# Altium PCB FlatSat Half1.PcbDoc (part 7 of 9) (continued)
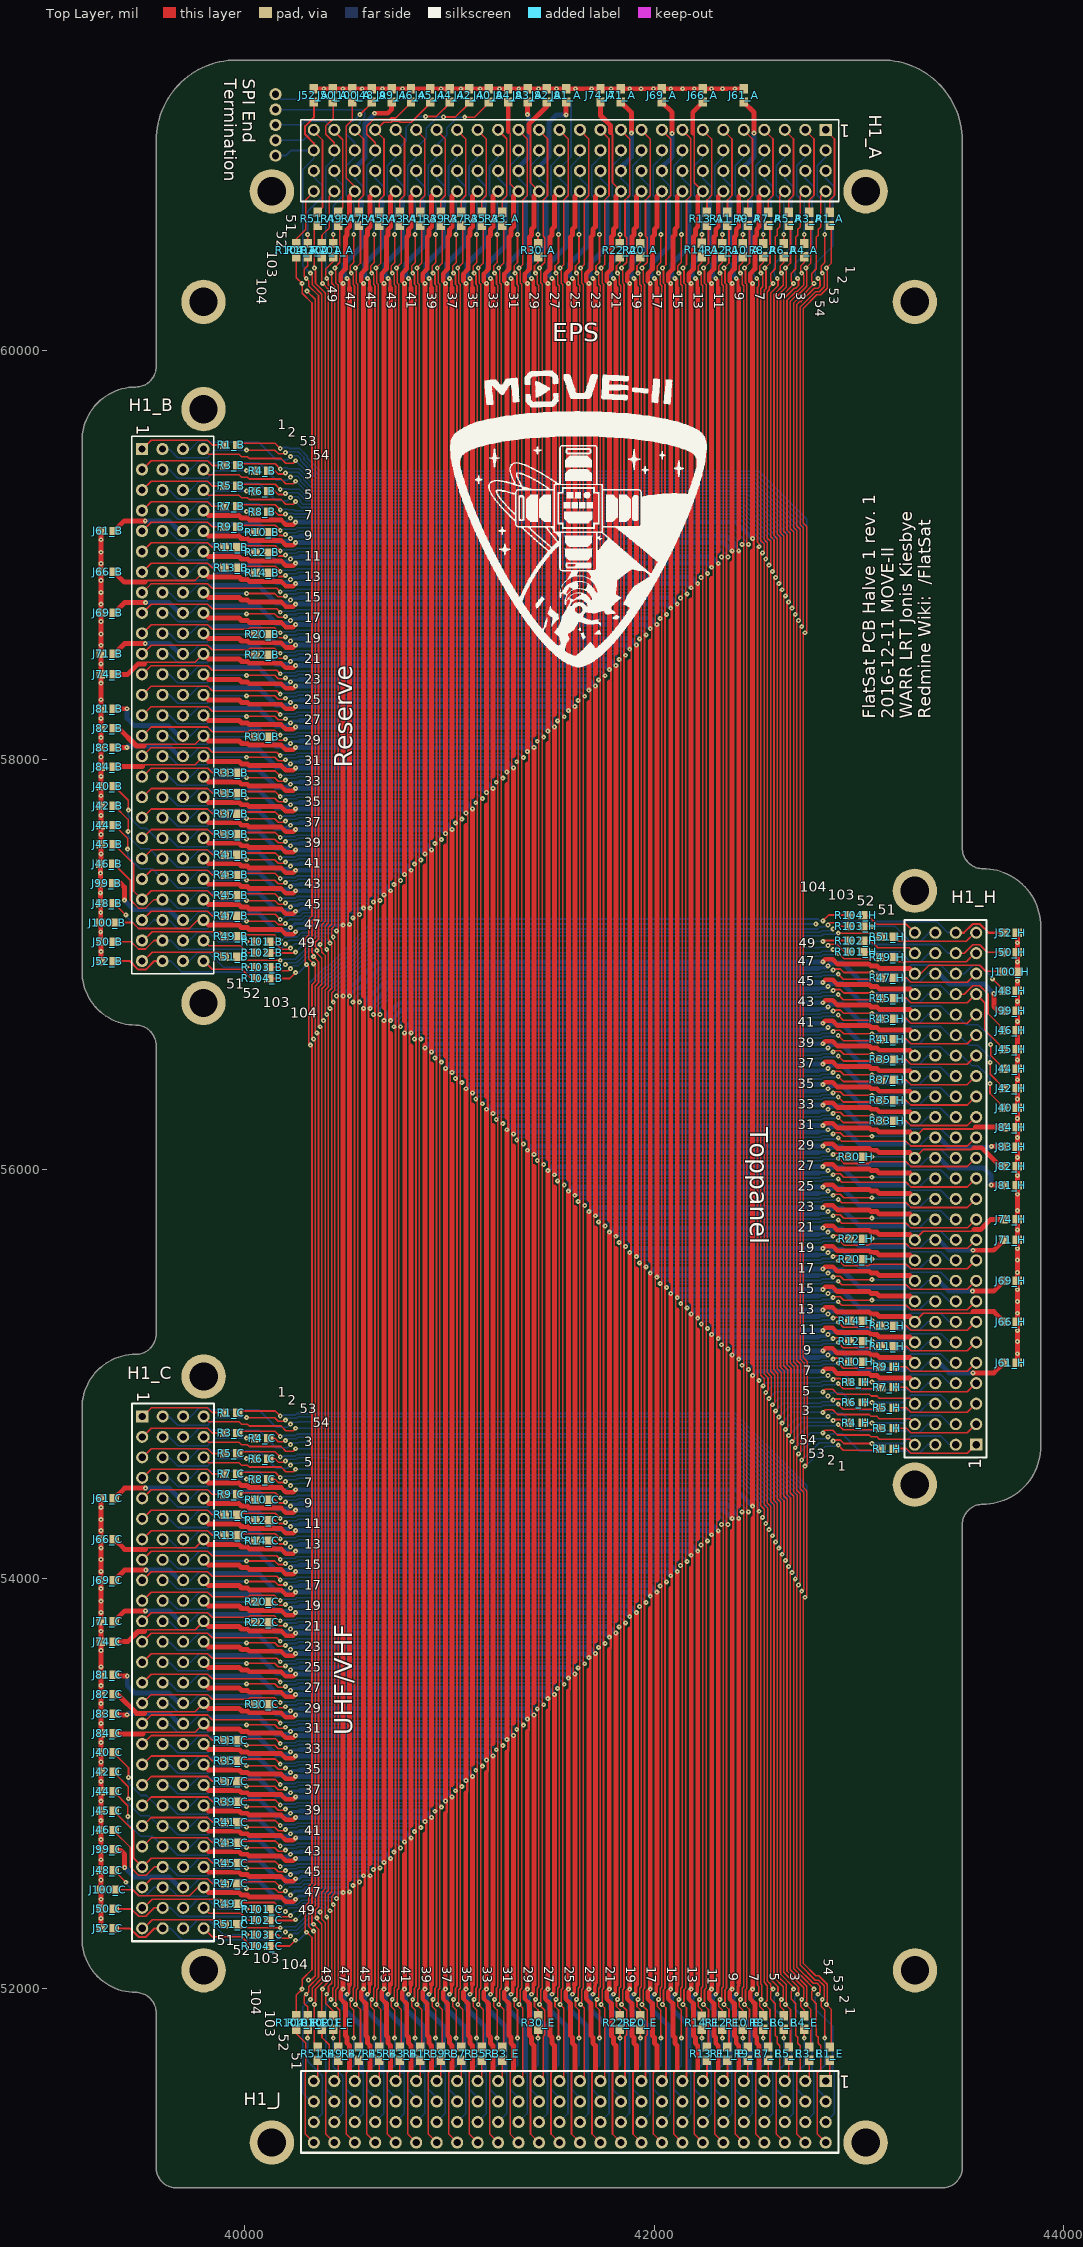
[diagram p0: Top Layer view]
## Nets (pads, with @x,y where several pads share a name; then routed paths per layer and width w, separated by ;. In a path a pad name is that pad's centre, name@x,y a point inside that pad or via, vN(x,y) a via of type N, cw(c..) or ccw(c..) an arc to the next point about the centre after c; other vN are vias at no path point) (continued)
  Bottom Layer w8: v1(40198,54375) 40207,54384 40252.41,54384 40259.41,54391 42363.2,54391 42410.63,54343.57 42410.63,54343.37 v1@42428,54326 ; v1(40198,59100) 40207,59109 40252.41,59109 40259.41,59116 42363.2,59116 42410.63,59068.57 42410.63,59068.37 v1@42428,59051 ; v1(42428,55043) 42442,55057 42811.59,55057 42818.59,55064 42864,55064 v1(42873,55073)
  other v1: 42428,54327 42428,59052
GPIO_RESERVE_1: H1_A.27 H1_B.27 H1_C.27 H1_H.27 H1_J.27 | length 15857.2
  Top Layer w8: H1_C.27@39500.48,53492 39543.01,53534.53 39818.1,53534.53 39840.62,53512 40156,53512 v1(40173,53495) ; H1_B.27@39500.48,58217 39543.01,58259.53 39818.1,58259.53 39840.62,58237 40156,58237 v1(40173,58220) ; H1_J.27@41537,51547 41557,51567 41557,51904 v1(41540,51921) 41540,51930 41545,51935 41545,51993.78 41552,52000.78 ; H1_A.27@41537,61073.52 41579.53,61030.99 41579.53,60755.9 41557,60733.38 41557,60418 v1(41540,60401) 41540,60392 41545,60387 41545,60328.22 41553,60320.22 41553,52001.94 ; v1(42898,55953) 42915,55936 43230.38,55936 43252.9,55913.47 43527.99,55913.47 H1_H.27@43570.52,55956
  Bottom Layer w8: v1(40173,53495) 40182,53495 40187,53500 40245.78,53500 40252.78,53507 41538,53507 v1(41560,53485) ; v1(40173,58220) 40182,58220 40187,58225 40245.78,58225 40252.78,58232 41538,58232 v1(41560,58210) ; v1(41560,55923) 41578,55941 42818.22,55941 42825.22,55948 42884,55948 42889,55953 v1(42898,55953)
GPIO_RESERVE_2: H1_A.29 H1_B.29 H1_C.29 H1_H.29 H1_J.29 | length 15788.6
  Top Layer w8: H1_C.29@39500.48,53392 39543.01,53434.53 39818.1,53434.53 39840.62,53412 40017.24,53412 40024.91,53419.67 40145.09,53419.67 40169.76,53395 v1(40173,53395) ; H1_B.29@39500.48,58117 39543.01,58159.53 39818.1,58159.53 39840.62,58137 40017.24,58137 40024.91,58144.67 40145.09,58144.67 40169.76,58120 v1(40173,58120) ; H1_J.29@41437,51547 41457,51567 41457,51765.24 41464.67,51772.91 41464.67,51893.09 41440,51917.76 v1(41440,51921) 41440,51930 41445,51935 41445,51993.78 41452,52000.78 ; H1_A.29@41437,61073.52 41478.53,61031.99 41478.53,60754.9 41457,60733.38 41457,60556.76 41464.67,60549.09 41464.67,60428.91 41440,60404.24 v1(41440,60401) 41440,60392 41445,60387 41445,60328.22 41452,60321.22 41452,52001 ; v1(42898,56053) 42901.24,56053 42925.91,56028.33 43046.09,56028.33 43053.76,56036 43230.38,56036 43252.9,56013.47 43527.99,56013.47 H1_H.29@43570.52,56056
  Bottom Layer w8: v1(40173,53395) 40182,53395 40187,53400 40245.78,53400 40252.78,53407 41438,53407 v1(41460,53385) ; v1(40173,58120) 40182,58120 40187,58125 40245.78,58125 40252.78,58132 41438,58132 v1(41460,58110) ; v1(41460,56023) 41478,56041 42818.22,56041 42825.22,56048 42884,56048 42889,56053 v1(42898,56053)
GPIO_RESERVE_3: H1_A.31 H1_B.31 H1_C.31 H1_H.31 H1_J.31 | length 15656
  Top Layer w8: H1_C.31@39500.48,53292 39543.01,53334.53 39818.1,53334.53 39840.62,53312 40156,53312 v1(40173,53295) ; H1_B.31@39500.48,58017 39542.01,58058.53 39819.1,58058.53 39840.62,58037 40156,58037 v1(40173,58020) ; H1_J.31@41337,51547 41357,51567 41357,51904 v1(41340,51921) 41340,51930 41345,51935 41345,51993.78 41352,52000.78 ; H1_A.31@41337,61073.52 41378.53,61031.99 41378.53,60754.9 41357,60733.38 41357,60418 v1(41340,60401) 41340,60392 41345,60387 41345,60328.22 41352,60321.22 41352,52001 ; v1(42898,56153) 42915,56136 43230.38,56136 43252.9,56113.47 43527.99,56113.47 H1_H.31@43570.52,56156
  Bottom Layer w8: v1(40173,53295) 40182,53295 40187,53300 40245.78,53300 40252.78,53307 41338,53307 v1(41360,53285) ; v1(40173,58020) 40182,58020 40187,58025 40245.78,58025 40252.78,58032 41338,58032 v1(41360,58010) ; v1(41360,56123) 41378,56141 42818.22,56141 42825.22,56148 42884,56148 42889,56153 v1(42898,56153)
GPIO_RESERVE_4: H1_A.24 H1_B.24 H1_C.24 H1_H.24 H1_J.24 | length 15802
  Top Layer w8: v1(40009,53687) 40146,53687 40163,53670 40193,53670 v1(40198,53675) ; v1(40009,58412) 40146,58412 40163,58395 40193,58395 v1(40198,58400) ; v1(41732,51757) 41732,51894 41715,51911 41715,51941 v1(41720,51946) 41729,51955 41729,52000.41 41736,52007.41 ; v1(41732,60565) 41732,60428 41715,60411 41715,60381 v1(41720,60376) 41729,60367 41729,60321.59 41736,60314.59 41736,52007.75 ; v1(42873,55773) 42878,55778 42908,55778 42925,55761 v1(43062,55761)
  Bottom Layer w8: H1_C.24@39598,53692 39631,53692 39672.47,53650.53 39818.53,53650.53 39855,53687 v1(40009,53687) ; H1_B.24@39598,58417 39631,58417 39673,58375 39818,58375 39855,58412 v1(40009,58412) ; v1(40198,53675) 40207,53684 40252.41,53684 40259.41,53691 41702,53691 v1(41728,53665) ; v1(40198,58400) 40207,58409 40252.41,58409 40259.41,58416 41702,58416 v1(41728,58390) ; v1(41728,55743) 41742,55757 42811.59,55757 42818.59,55764 42864,55764 v1(42873,55773) ; v1(41732,51757) 41732,51624 41695.47,51587.47 41695.47,51507.53 41737,51466 H1_J.24@41737,51447 ; v1(41732,60565) 41732,60719 41695,60756 41695,60901 41737,60943 H1_A.24@41737,60976 ; v1(43062,55761) 43216,55761 43252.47,55797.47 43398.53,55797.47 43440,55756 H1_H.24@43473,55756
GPIO_RESERVE_5: H1_A.26 H1_B.26 H1_C.26 H1_H.26 H1_J.26 | length 15702
  Top Layer w8: v1(40009,53587) 40146,53587 40163,53570 40193,53570 v1(40198,53575) ; v1(40009,58312) 40146,58312 40163,58295 40193,58295 v1(40198,58300) ; v1(41632,51757) 41632,51894 41615,51911 41615,51941 v1(41620,51946) 41629,51955 41629,52000.41 41636,52007.41 ; v1(41632,60565) 41632,60428 41615,60411 41615,60381 v1(41620,60376) 41629,60367 41629,60321.59 41636,60314.59 41636,52007.75 ; v1(42873,55873) 42878,55878 42908,55878 42925,55861 v1(43062,55861)
  Bottom Layer w8: H1_C.26@39598,53592 39631,53592 39672.47,53550.53 39818.53,53550.53 39855,53587 v1(40009,53587) ; H1_B.26@39598,58317 39631,58317 39673,58275 39818,58275 39855,58312 v1(40009,58312) ; v1(40198,53575) 40207,53584 40252.41,53584 40259.41,53591 41602,53591 v1(41628,53565) ; v1(40198,58300) 40207,58309 40252.41,58309 40259.41,58316 41602,58316 v1(41628,58290) ; v1(41628,55843) 41642,55857 42811.59,55857 42818.59,55864 42864,55864 v1(42873,55873) ; v1(41632,51757) 41632,51624 41595.47,51587.47 41595.47,51507.53 41637,51466 H1_J.26@41637,51447 ; v1(41632,60565) 41632,60719 41595,60756 41595,60901 41637,60943 H1_A.26@41637,60976 ; v1(43062,55861) 43216,55861 43252.47,55897.47 43398.53,55897.47 43440,55856 H1_H.26@43473,55856
GPIO_RESERVE_6: H1_A.28 H1_B.28 H1_C.28 H1_H.28 H1_J.28 | length 15601.8
  Top Layer w8: v1(40009,53487) 40146,53487 40163,53470 40193,53470 v1(40198,53475) ; v1(40009,58212) 40146,58212 40163,58195 40193,58195 v1(40198,58200) ; v1(41532,51757) 41532,51894 41515,51911 41515,51941 v1(41520,51946) 41529,51955 41529,52000.41 41536,52007.41 ; v1(41532,60565) 41532,60428 41515,60411 41515,60381 v1(41520,60376) 41529,60367 41529,60321.59 41536,60314.59 41536,52008 ; v1(42873,55973) 42878,55978 42908,55978 42925,55961 v1(43062,55961)
  Bottom Layer w8: H1_C.28@39598,53492 39631,53492 39672.47,53450.53 39818.53,53450.53 39855,53487 v1(40009,53487) ; H1_B.28@39598,58217 39631,58217 39673,58175 39818,58175 39855,58212 v1(40009,58212) ; v1(40198,53475) 40207,53484 40252.41,53484 40259.41,53491 41502,53491 v1(41528,53465) ; v1(40198,58200) 40207,58209 40252.41,58209 40259.41,58216 41502,58216 v1(41528,58190) ; v1(41528,55943) 41542,55957 42811.59,55957 42818.59,55964 42864,55964 v1(42873,55973) ; v1(41532,51757) 41532,51624 41495.47,51587.47 41495.47,51507.53 41537,51466 H1_J.28@41537,51447 ; v1(41532,60565) 41532,60719 41495,60756 41495,60901 41537,60943 H1_A.28@41537,60976 ; v1(43062,55961) 43216,55961 43252.47,55997.47 43398.53,55997.47 43440,55956 H1_H.28@43473,55956
GPIO_RESERVE_7: H1_A.34 H1_B.34 H1_C.34 H1_H.34 H1_J.34 | length 15302.6
  Top Layer w8: v1(40009,53187) 40146,53187 40163,53170 40193,53170 v1(40198,53175) ; v1(40009,57912) 40146,57912 40163,57895 40193,57895 v1(40198,57900) ; v1(41232,51757) 41232,51894 41215,51911 41215,51941 v1(41220,51946) 41229,51955 41229,52000.41 41236,52007.41 ; v1(41232,60565) 41232,60428 41215,60411 41215,60381 v1(41220,60376) 41229,60367 41229,60321.59 41236.01,60314.58 ; 41236.01,52008.01 41236.01,57890 41236.01,57900.05 41236,60314.57 ; v1(42873,56273) 42878,56278 42908,56278 42925,56261 v1(43062,56261)
  Bottom Layer w8: H1_C.34@39598,53192 39631,53192 39672.47,53150.53 39818.53,53150.53 39855,53187 v1(40009,53187) ; H1_B.34@39598,57917 39631,57917 39673,57875 39818,57875 39855,57912 v1(40009,57912) ; v1(40198,53175) 40207,53184 40252.41,53184 40259.41,53191 41201,53191 v1@41228,53164 ; v1(40198,57900) 40207,57909 40252.41,57909 40259.41,57916 41201,57916 v1@41228,57889 ; v1(41228,56243) 41242,56257 42811.59,56257 42818.59,56264 42864,56264 v1(42873,56273) ; v1(41232,51757) 41232,51624 41195.47,51587.47 41195.47,51507.53 41237,51466 H1_J.34@41237,51447 ; v1(41232,60565) 41232,60719 41195,60756 41195,60901 41237,60943 H1_A.34@41237,60976 ; v1(43062,56261) 43216,56261 43252.47,56297.47 43398.53,56297.47 43440,56256 H1_H.34@43473,56256
  other v1: 41228,53165 41228,57890
GPIO_RESERVE_8: H1_A.36 H1_B.36 H1_C.36 H1_H.36 H1_J.36 | length 15202.4
  Top Layer w8: v1(40009,53087) 40146,53087 40163,53070 40193,53070 v1(40198,53075) ; v1(40009,57812) 40146,57812 40163,57795 40193,57795 v1(40198,57800) ; v1(41132,51757) 41132,51894 41115,51911 41115,51941 v1(41120,51946) 41129,51955 41129,52000.41 41136,52007.41 41136,60314.59 41129,60321.59 41129,60367 v1(41120,60376) 41115,60381 41115,60411 41132,60428 v1(41132,60565) ; v1(42873,56373) 42878,56378 42908,56378 42925,56361 v1(43062,56361)
  Bottom Layer w8: H1_C.36@39598,53092 39631,53092 39672.47,53050.53 39818.53,53050.53 39855,53087 v1(40009,53087) ; H1_B.36@39598,57817 39631,57817 39673,57775 39818,57775 39855,57812 v1(40009,57812) ; v1(40198,53075) 40207,53084 40252.41,53084 40259.41,53091 41102,53091 v1(41128,53065) ; v1(40198,57800) 40207,57809 40252.41,57809 40259.41,57816 41102,57816 v1(41128,57790) ; v1(41128,56343) 41142,56357 42811.59,56357 42818.59,56364 42864,56364 v1(42873,56373) ; v1(41132,51757) 41132,51624 41095.47,51587.47 41095.47,51507.53 41137,51466 H1_J.36@41137,51447 ; v1(41132,60565) 41132,60719 41095,60756 41095,60901 41137,60943 H1_A.36@41137,60976 ; v1(43062,56361) 43216,56361 43252.47,56397.47 43398.53,56397.47 43440,56356 H1_H.36@43473,56356
GPIO_RESERVE_9: H1_A.38 H1_B.38 H1_C.38 H1_H.38 H1_J.38 | length 15102.4
  Top Layer w8: v1(40009,52987) 40146,52987 40163,52970 40193,52970 v1(40198,52975) ; v1(40009,57712) 40146,57712 40163,57695 40193,57695 v1(40198,57700) ; v1(41032,51757) 41032,51894 41015,51911 41015,51941 v1(41020,51946) 41029,51955 41029,52000.41 41036,52007.41 41036,60314.59 41029,60321.59 41029,60367 v1(41020,60376) 41015,60381 41015,60411 41032,60428 v1(41032,60565) ; v1(42873,56473) 42878,56478 42908,56478 42925,56461 v1(43062,56461)
  Bottom Layer w8: H1_C.38@39598,52992 39631,52992 39672.47,52950.53 39818.53,52950.53 39855,52987 v1(40009,52987) ; H1_B.38@39598,57717 39631,57717 39673,57675 39818,57675 39855,57712 v1(40009,57712) ; v1(40198,52975) 40207,52984 40252.41,52984 40259.41,52991 41002,52991 v1(41028,52965) ; v1(40198,57700) 40207,57709 40252.41,57709 40259.41,57716 41002,57716 v1(41028,57690) ; v1(41028,56443) 41042,56457 42811.59,56457 42818.59,56464 42864,56464 v1(42873,56473) ; v1(41032,51757) 41032,51624 40995.47,51587.47 40995.47,51507.53 41037,51466 H1_J.38@41037,51447 ; v1(41032,60565) 41032,60719 40995,60756 40995,60901 41037,60943 H1_A.38@41037,60976 ; v1(43062,56461) 43216,56461 43252.47,56497.47 43398.53,56497.47 43440,56456 H1_H.38@43473,56456
GPIO_RESERVE_10: H1_A.15 H1_B.15 H1_C.15 H1_H.15 H1_J.15 | length 16457.1
  Top Layer w8: H1_C.15@39500.48,54092 39543.01,54134.53 39818.1,54134.53 39840.62,54112 40156,54112 v1(40173,54095) ; H1_B.15@39500.48,58817 39542.01,58858.53 39819.1,58858.53 39840.62,58837 40156,58837 v1(40173,58820) ; H1_J.15@42137,51547 42157,51567 42157,51904 v1(42140,51921) 42140,51930 42145,51935 42145,51993.78 42153,52001.78 42153,60320.22 42145,60328.22 42145,60387 42140,60392 v1(42140,60401) 42157,60418 42157,60733.38 42178.53,60754.9 42178.53,61031.99 H1_A.15@42137,61073.52 ; v1(42898,55353) 42915,55336 43230.38,55336 43252.9,55313.47 43527.99,55313.47 H1_H.15@43570.52,55356
  Bottom Layer w8: v1(40173,54095) 40182,54095 40187,54100 40245.78,54100 40252.78,54107 42138,54107 v1(42160,54085) ; v1(40173,58820) 40182,58820 40187,58825 40245.78,58825 40252.78,58832 42138,58832 v1(42160,58810) ; v1(42160,55323) 42178,55341 42818.22,55341 42825.22,55348 42884,55348 42889,55353 v1(42898,55353)
GPIO_RESERVE_11: H1_A.17 H1_B.17 H1_C.17 H1_H.17 H1_J.17 | length 16384.9
  Top Layer w8: H1_C.17@39500.48,53992 39543.01,54034.53 39818.1,54034.53 39840.62,54012 40156,54012 v1(40173,53995) v1@40182,53995 ; H1_B.17@39500.48,58717 39543.01,58759.53 39818.1,58759.53 39840.62,58737 40156,58737 v1(40173,58720) v1@40182,58720 ; H1_J.17@42037,51547 42057,51567 42057,51904 v1(42040,51921) 42040,51930 42045,51935 42045,51993.78 42052,52000.78 42052,60321.22 42045,60328.22 42045,60387 42040,60392 v1(42040,60401) 42057,60418 42057,60733.38 42079.53,60755.9 42079.53,61030.99 H1_A.17@42037,61073.52 ; v1@42889,55453 v1(42898,55453) 42915,55436 43230.38,55436 43252.9,55413.47 43527.99,55413.47 H1_H.17@43570.52,55456
  Bottom Layer w8: v1(40173,53995) 40182,53995 40187,54000 40245.78,54000 40252.78,54007 42038,54007 v1(42060,53985) ; v1(40173,58720) 40182,58720 40187,58725 40245.78,58725 40252.78,58732 42038,58732 v1(42060,58710) ; v1(42060,55423) 42078,55441 42818.22,55441 42825.22,55448 42884,55448 42889,55453 v1(42898,55453)
GPIO_RESERVE_12: H1_A.19 H1_B.19 H1_C.19 H1_H.19 H1_J.19 | length 16316.7
  Top Layer w8: H1_C.19@39500.48,53892 39543.01,53934.53 39818.1,53934.53 39840.62,53912 40017.24,53912 40024.91,53919.67 40145.09,53919.67 40169.76,53895 v1(40173,53895) v1@40182,53895 ; H1_B.19@39500.48,58617 39543.01,58659.53 39818.1,58659.53 39840.62,58637 40017.24,58637 40024.91,58644.67 40145.09,58644.67 40169.76,58620 v1(40173,58620) v1@40182,58620 ; H1_J.19@41937,51547 41957,51567 41957,51765.24 41964.67,51772.91 41964.67,51893.09 41940,51917.76 v1(41940,51921) 41940,51930 41945,51935 41945,51993.78 41952,52000.78 41952,60321.22 41945,60328.22 41945,60387 41940,60392 v1(41940,60401) 41940,60404.24 41964.67,60428.91 41964.67,60549.09 41957,60556.76 41957,60733.38 41979.53,60755.9 41979.53,61030.99 H1_A.19@41937,61073.52 ; v1@42889,55553 v1(42898,55553) 42901.24,55553 42925.91,55528.33 43046.09,55528.33 43053.76,55536 43230.38,55536 43252.9,55513.47 43527.99,55513.47 H1_H.19@43570.52,55556
  Bottom Layer w8: v1(40173,53895) 40182,53895 40187,53900 40245.78,53900 40252.78,53907 41938,53907 v1(41960,53885) ; v1(40173,58620) 40182,58620 40187,58625 40245.78,58625 40252.78,58632 41938,58632 v1(41960,58610) ; v1(41960,55523) 41978,55541 42818.22,55541 42825.22,55548 42884,55548 42889,55553 v1(42898,55553)
GPIO_RESERVE_13: H1_A.21 H1_B.21 H1_C.21 H1_H.21 H1_J.21 | length 16189.7
  Top Layer w8: H1_C.21@39500.48,53792 39543.01,53834.53 39818.1,53834.53 39840.62,53812 40017.24,53812 40024.91,53819.67 40145.09,53819.67 40169.76,53795 v1(40173,53795) ; H1_B.21@39500.48,58517 39543.01,58559.53 39818.1,58559.53 39840.62,58537 40017.24,58537 40024.91,58544.67 40145.09,58544.67 40169.76,58520 v1(40173,58520) ; H1_J.21@41837,51547 41857,51567 41857,51765.24 41864.67,51772.91 41864.67,51893.09 41840,51917.76 v1(41840,51921) 41840,51930 41845,51935 41845,51993.78 41852,52000.78 41852,60321.22 41845,60328.22 41845,60387 41840,60392 v1(41840,60401) 41840,60404.24 41864.67,60428.91 41864.67,60549.09 41857,60556.76 41857,60733.38 41879.53,60755.9 41879.53,61030.99 H1_A.21@41837,61073.52 ; v1(42898,55653) 42901.24,55653 42925.91,55628.33 43046.09,55628.33 43053.76,55636 43230.38,55636 43252.9,55613.47 43527.99,55613.47 H1_H.21@43570.52,55656
  Bottom Layer w8: v1(40173,53795) 40182,53795 40187,53800 40245.78,53800 40252.78,53807 41838,53807 v1(41860,53785) ; v1(40173,58520) 40182,58520 40187,58525 40245.78,58525 40252.78,58532 41838,58532 v1(41860,58510) ; v1(41860,55623) 41878,55641 42818.22,55641 42825.22,55648 42884,55648 42889,55653 v1(42898,55653)
GPIO_RESERVE_14: H1_A.23 H1_B.23 H1_C.23 H1_H.23 H1_J.23 | length 16056
  Top Layer w8: H1_C.23@39500.48,53692 39543.01,53734.53 39818.1,53734.53 39840.62,53712 40156,53712 v1(40173,53695) ; H1_B.23@39500.48,58417 39542.01,58458.53 39819.1,58458.53 39840.62,58437 40156,58437 v1(40173,58420) ; H1_J.23@41737,51547 41757,51567 41757,51904 v1(41740,51921) 41740,51930 41745,51935 41745,51993.78 41752,52000.78 ; H1_A.23@41737,61073.52 41778.53,61031.99 41778.53,60754.9 41757,60733.38 41757,60418 v1(41740,60401) 41740,60392 41745,60387 41745,60328.22 41752,60321.22 41752,52001 ; v1(42898,55753) 42915,55736 43230.38,55736 43252.9,55713.47 43527.99,55713.47 H1_H.23@43570.52,55756
  Bottom Layer w8: v1(40173,53695) 40182,53695 40187,53700 40245.78,53700 40252.78,53707 41738,53707 v1(41760,53685) ; v1(40173,58420) 40182,58420 40187,58425 40245.78,58425 40252.78,58432 41738,58432 v1(41760,58410) ; v1(41760,55723) 41778,55741 42818.22,55741 42825.22,55748 42884,55748 42889,55753 v1(42898,55753)
GPIO_RESERVE_15: H1_A.25 H1_B.25 H1_C.25 H1_H.25 H1_J.25 | length 15957.7
  Top Layer w8: H1_C.25@39500.48,53592 39543.01,53634.53 39818.1,53634.53 39840.62,53612 40156,53612 v1(40173,53595) ; H1_B.25@39500.48,58317 39543.01,58359.53 39818.1,58359.53 39840.62,58337 40156,58337 v1(40173,58320) ; H1_J.25@41637,51547 41657,51567 41657,51904 v1(41640,51921) 41640,51930 41645,51935 41645,51993.78 41652,52000.78 ; H1_A.25@41637,61073.52 41679.53,61030.99 41679.53,60755.9 41657,60733.38 41657,60418 v1(41640,60401) 41640,60392 41645,60387 41645,60328.22 41652,60321.22 41652,52001 ; v1(42898,55853) 42915,55836 43230.38,55836 43252.9,55813.47 43527.99,55813.47 H1_H.25@43570.52,55856
  Bottom Layer w8: v1(40173,53595) 40182,53595 40187,53600 40245.78,53600 40252.78,53607 41638,53607 v1(41660,53585) ; v1(40173,58320) 40182,58320 40187,58325 40245.78,58325 40252.78,58332 41638,58332 v1(41660,58310) ; v1(41660,55823) 41678,55841 42818.22,55841 42825.22,55848 42884,55848 42889,55853 v1(42898,55853)
HCU: R30_A.2 R30_B.2 R30_C.2 R30_E.2 R30_H.2 | length 12844.7
  Top Layer w8: R30_C.2@40117.15,53387 R30_C.2@40117.48,53387 40146,53387 40163,53370 40193,53370 v1(40198,53375) ; R30_B.2@40117.15,58112 R30_B.2@40117.48,58112 40146,58112 40163,58095 40193,58095 v1(40198,58100) ; R30_E.2@41432,51865.15 R30_E.2@41432,51865.48 41432,51894 41415,51911 41415,51941 v1(41420,51946) 41429,51955 41429,52000.41 41436,52007.41 ; R30_A.2@41432,60456.85 R30_A.2@41432,60456.52 41432,60428 41415,60411 41415,60381 v1(41420,60376) 41429,60367 41429,60321.59 41436,60314.59 41436,52008 ; v1(42873,56073) 42878,56078 42908,56078 42925,56061 R30_H.2@42953.52,56061 R30_H.2@42953.85,56061
  Bottom Layer w8: v1(40198,53375) 40207,53384 40252.41,53384 40259.41,53391 41402,53391 v1(41428,53365) ; v1(40198,58100) 40207,58109 40252.41,58109 40259.41,58116 41402,58116 v1(41428,58090) ; v1(41428,56043) 41442,56057 42811.59,56057 42818.59,56064 42864,56064 v1(42873,56073)
I2C_CLK: R43_A.1 R43_B.1 R43_C.1 R43_E.1 R43_H.1 | length 12991.5
  Top Layer w8: R43_C.1@39965.48,52712 39965.48,52719.67 40148.33,52719.67 v1(40173,52695) ; R43_B.1@39965.48,57437 39965.48,57444.67 40148.33,57444.67 v1(40173,57420) ; R43_E.1@40757,51713.48 40764.67,51713.48 40764.67,51896.33 v1(40740,51921) 40740,51930 40745,51935 40745,51993.78 40752,52000.78 40752,60321.22 40745,60328.22 40745,60387 40740,60392 v1(40740,60401) 40764.67,60425.67 40764.67,60608.52 R43_A.1@40757,60608.52 ; v1(42898,56753) 42922.67,56728.33 43105.52,56728.33 R43_H.1@43105.52,56736
  Bottom Layer w8: v1(40173,52695) 40182,52695 40187,52700 40245.78,52700 40252.78,52707 40738,52707 v1(40760,52685) ; v1(40173,57420) 40182,57420 40187,57425 40245.78,57425 40252.78,57432 40738,57432 v1(40760,57410) ; v1@40759,56698 40760,56699 40760,56717 40784,56741 42818.22,56741 42825.22,56748 42884,56748 42889,56753 v1(42898,56753)
  other v1: 40760,56696
I2C_DATA: R41_A.1 R41_B.1 R41_C.1 R41_E.1 R41_H.1 | length 13063.6
  Top Layer w8: R41_C.1@39965.48,52812 39965.48,52819.67 40148.33,52819.67 v1(40173,52795) ; R41_B.1@39965.48,57537 39965.48,57544.67 40148.33,57544.67 v1(40173,57520) ; R41_E.1@40857,51713.48 40864.67,51713.48 40864.67,51896.33 v1(40840,51921) 40840,51930 40845,51935 40845,51993.78 40852,52000.78 40852,60321.22 40845,60328.22 40845,60387 40840,60392 v1(40840,60401) 40864.67,60425.67 40864.67,60608.52 R41_A.1@40857,60608.52 ; v1(42898,56653) 42922.67,56628.33 43105.52,56628.33 R41_H.1@43105.52,56636
  Bottom Layer w8: v1(40173,52795) 40182,52795 40187,52800 40245.78,52800 40252.78,52807 40838,52807 v1(40860,52785) ; v1(40173,57520) 40182,57520 40187,57525 40245.78,57525 40252.78,57532 40838,57532 v1(40860,57510) ; v1@40861,56635 40867,56641 42818.22,56641 42825.22,56648 42884,56648 42889,56653 v1(42898,56653)
  other v1: 40860,56636
MISO: R47_A.1 R47_B.1 R47_C.1 R47_E.1 R47_H.1 | length 12820.4
  Top Layer w8: R47_C.1@39965.48,52512 39965.48,52519.67 40148.33,52519.67 v1(40173,52495) ; R47_B.1@39965.48,57237 39965.48,57244.67 40148.33,57244.67 v1(40173,57220) ; 40552,52000.78 40545,51993.78 40545,51935 40540,51930 v1(40540,51921) 40564.67,51896.33 40564.67,51713.48 R47_E.1@40557,51713.48 ; 40552,52001 v1@40552,52519 ; R47_A.1@40557,60608.52 40564.67,60608.52 40564.67,60425.67 v1(40540,60401) 40540,60392 40545,60387 40545,60328.22 40552,60321.22 v1@40552,56816 ; v1(40560,52519) v1@40552,52519 ; v1(40560,56816) v1@40552,56816 ; v1(42898,56953) 42922.67,56928.33 43105.52,56928.33 R47_H.1@43105.52,56936 ; v1@40552,52519 v1@40552,56816
  Bottom Layer w8: v1(40173,52495) 40182,52495 40198,52511 40269.92,52511 40285.92,52527 v1@40553,52527 ; v1(40173,57220) 40182,57220 40198,57236 40269.92,57236 40285.92,57252 v1@40553,57252 ; v1(40560,56816) 40560,56826.84 40674.16,56941 42818.22,56941 42825.22,56948 42884,56948 42889,56953 v1(42898,56953)
  other v1: 40560,57244
MOSI: R49_A.1 R49_B.1 R49_C.1 R49_E.1 R49_H.1 | length 12748.1
  Top Layer w8: R49_C.1@39965.48,52412 39965.48,52419.34 40145.09,52419.34 40169.43,52395 v1(40173,52395) ; R49_B.1@39965.48,57137 39965.48,57144.34 40145.09,57144.34 40169.43,57120 v1(40173,57120) ; v1@40456,56846 40456,52004.78 40445,51993.78 40445,51935 40440,51930 v1(40440,51921) 40440,51917.43 40464.34,51893.09 40464.34,51713.48 R49_E.1@40457,51713.48 ; 40456,56856 40456,57124.06 40456,57143.94 40456,57156 v1(40448,57164) 40456,57172 40456,60317.22 40445,60328.22 40445,60387 40440,60392 v1(40440,60401) 40440,60404.57 40464.34,60428.91 40464.34,60608.52 R49_A.1@40457,60608.52 ; v1(42898,57053) 42901.57,57053 42925.91,57028.66 43105.52,57028.66 R49_H.1@43105.52,57036
  Bottom Layer w8: v1(40173,52395) 40182,52395 40196,52409 40255.94,52409 40277.94,52431 40324.18,52431 40338.18,52445 40442,52445 v1(40448,52439) ; v1(40173,57120) 40182,57120 40196,57134 40255.94,57134 40277.94,57156 40324.18,57156 40338.18,57170 40442,57170 v1(40448,57164) ; v1@40445.7,56848.3 40638.39,57041 42818.22,57041 42825.22,57048 42884,57048 42889,57053 v1(42898,57053)
  other v1: 40448,56846
NetH1_A_1: H1_A.1 R1_A.2 | length 427
  Top Layer w8: H1_A.1@42837,61073.52 42879.53,61030.99 42879.53,60755.9 42857,60733.38 R1_A.2@42857,60673.48
NetH1_A_3: H1_A.3 R3_A.2 | length 427
  Top Layer w8: H1_A.3@42737,61073.52 42779.53,61030.99 42779.53,60755.9 42757,60733.38 R3_A.2@42757,60673.48
NetH1_A_4: H1_A.4 R4_A.1 | length 486.9
  Top Layer w8: R4_A.1@42732,60521.81 v1(42732,60565)
  Bottom Layer w8: v1(42732,60565) 42732,60719 42695,60756 42695,60901 42737,60943 H1_A.4@42737,60976
NetH1_A_5: H1_A.5 R5_A.2 | length 427
  Top Layer w8: H1_A.5@42637,61073.52 42679.53,61030.99 42679.53,60755.9 42657,60733.38 R5_A.2@42657,60673.48
NetH1_A_6: H1_A.6 R6_A.1 | length 486.9
  Top Layer w8: R6_A.1@42632,60521.81 v1(42632,60565)
  Bottom Layer w8: v1(42632,60565) 42632,60719 42595,60756 42595,60901 42637,60943 H1_A.6@42637,60976
NetH1_A_7: H1_A.7 R7_A.2 | length 427
  Top Layer w8: H1_A.7@42537,61073.52 42579.53,61030.99 42579.53,60755.9 42557,60733.38 R7_A.2@42557,60673.48
NetH1_A_8: H1_A.8 R8_A.1 | length 486.9
  Top Layer w8: R8_A.1@42532,60521.81 v1(42532,60565)
  Bottom Layer w8: v1(42532,60565) 42532,60719 42495,60756 42495,60901 42537,60943 H1_A.8@42537,60976
NetH1_A_9: H1_A.9 R9_A.2 | length 427
  Top Layer w8: H1_A.9@42437,61073.52 42479.53,61030.99 42479.53,60755.9 42457,60733.38 R9_A.2@42457,60673.48
NetH1_A_10: H1_A.10 R10_A.1 | length 486.9
  Top Layer w8: R10_A.1@42432,60521.81 v1(42432,60565)
  Bottom Layer w8: v1(42432,60565) 42432,60719 42395,60756 42395,60901 42437,60943 H1_A.10@42437,60976
NetH1_A_11: H1_A.11 R11_A.2 | length 427
  Top Layer w8: H1_A.11@42337,61073.52 42379.53,61030.99 42379.53,60755.9 42357,60733.38 R11_A.2@42357,60673.48
NetH1_A_12: H1_A.12 R12_A.1 | length 486.9
  Top Layer w8: R12_A.1@42332,60521.81 v1(42332,60565)
  Bottom Layer w8: v1(42332,60565) 42332,60719 42295,60756 42295,60901 42337,60943 H1_A.12@42337,60976
NetH1_A_13: H1_A.13 R13_A.2 | length 427
  Top Layer w8: H1_A.13@42237,61073.52 42279.53,61030.99 42279.53,60755.9 42257,60733.38 R13_A.2@42257,60673.48
NetH1_A_14: H1_A.14 R14_A.1 | length 486.9
  Top Layer w8: R14_A.1@42232,60521.81 v1(42232,60565)
  Bottom Layer w8: v1(42232,60565) 42232,60719 42195,60756 42195,60901 42237,60943 H1_A.14@42237,60976
NetH1_A_20: H1_A.20 R20_A.1 | length 486.9
  Top Layer w8: R20_A.1@41932,60521.81 v1(41932,60565)
  Bottom Layer w8: v1(41932,60565) 41932,60719 41895,60756 41895,60901 41937,60943 H1_A.20@41937,60976
NetH1_A_22: H1_A.22 R22_A.1 | length 486.9
  Top Layer w8: R22_A.1@41832,60521.81 v1(41832,60565)
  Bottom Layer w8: v1(41832,60565) 41832,60719 41795,60756 41795,60901 41837,60943 H1_A.22@41837,60976
NetH1_A_30: H1_A.30 R30_A.1 | length 486.9
  Top Layer w8: R30_A.1@41432,60521.81 v1(41432,60565)
  Bottom Layer w8: v1(41432,60565) 41432,60719 41395,60756 41395,60901 41437,60943 H1_A.30@41437,60976
NetH1_A_33: H1_A.33 R33_A.2 | length 426.2
  Top Layer w8: H1_A.33@41237,61073.52 41278.53,61031.99 41278.53,60754.9 41257,60733.38 R33_A.2@41257,60673.48
NetH1_A_35: H1_A.35 R35_A.1 | length 427
  Top Layer w8: H1_A.35@41137,61073.52 41179.53,61030.99 41179.53,60755.9 41157,60733.38 R35_A.1@41157,60673.48
NetH1_A_37: H1_A.37 R37_A.2 | length 427
  Top Layer w8: H1_A.37@41037,61073.52 41079.53,61030.99 41079.53,60755.9 41057,60733.38 R37_A.2@41057,60673.48
NetH1_A_39: H1_A.39 R39_A.2 | length 427
  Top Layer w8: H1_A.39@40937,61073.52 40979.53,61030.99 40979.53,60755.9 40957,60733.38 R39_A.2@40957,60673.48
NetH1_A_41: H1_A.41 R41_A.2 | length 427
  Top Layer w8: H1_A.41@40837,61073.52 40879.53,61030.99 40879.53,60755.9 40857,60733.38 R41_A.2@40857,60673.48
NetH1_A_43: H1_A.43 R43_A.2 | length 427
  Top Layer w8: H1_A.43@40737,61073.52 40779.53,61030.99 40779.53,60755.9 40757,60733.38 R43_A.2@40757,60673.48